# Altium PCB Main control board.PcbDoc (part 1 of 2)
Units mil, origin at the board's own origin, x right, y up, seen from the top; angles counter-clockwise.
Board outline 5901.57 x 3937.01 mil, 2 copper layers (Top Layer, Bottom Layer); 165 components, 122 nets, 529 pads, 198 vias.
Unrouted connection lines stored in the file: 1.
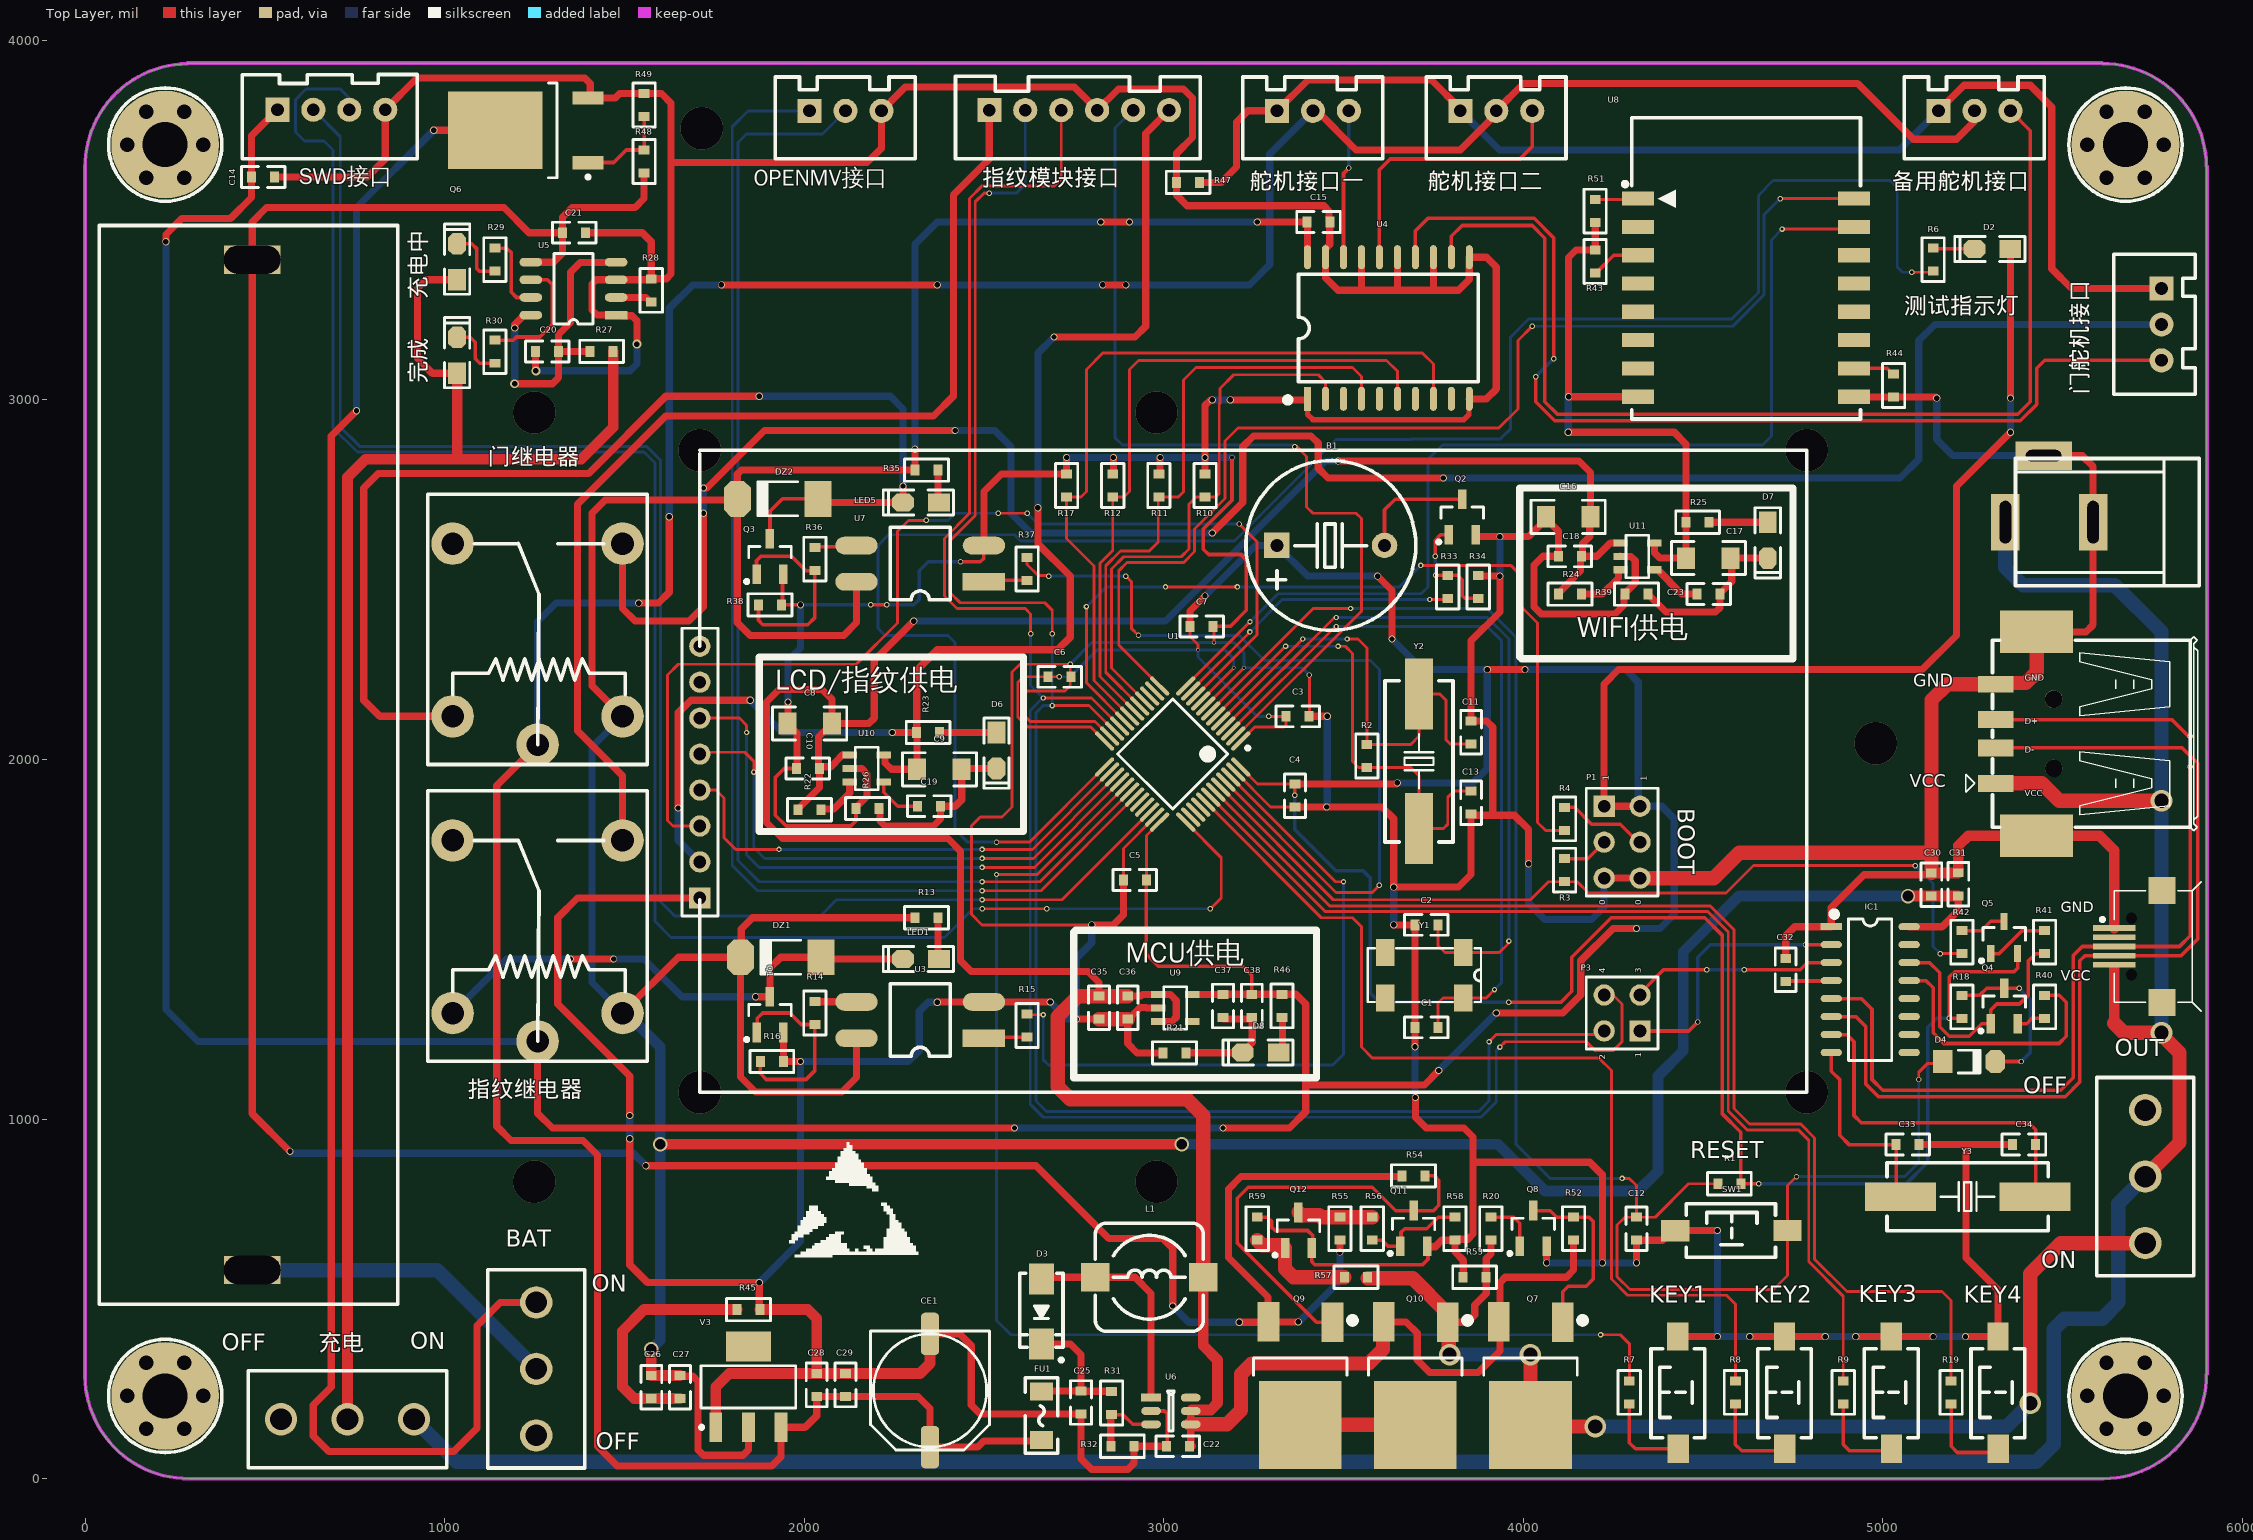
[diagram p0: Top Layer view]
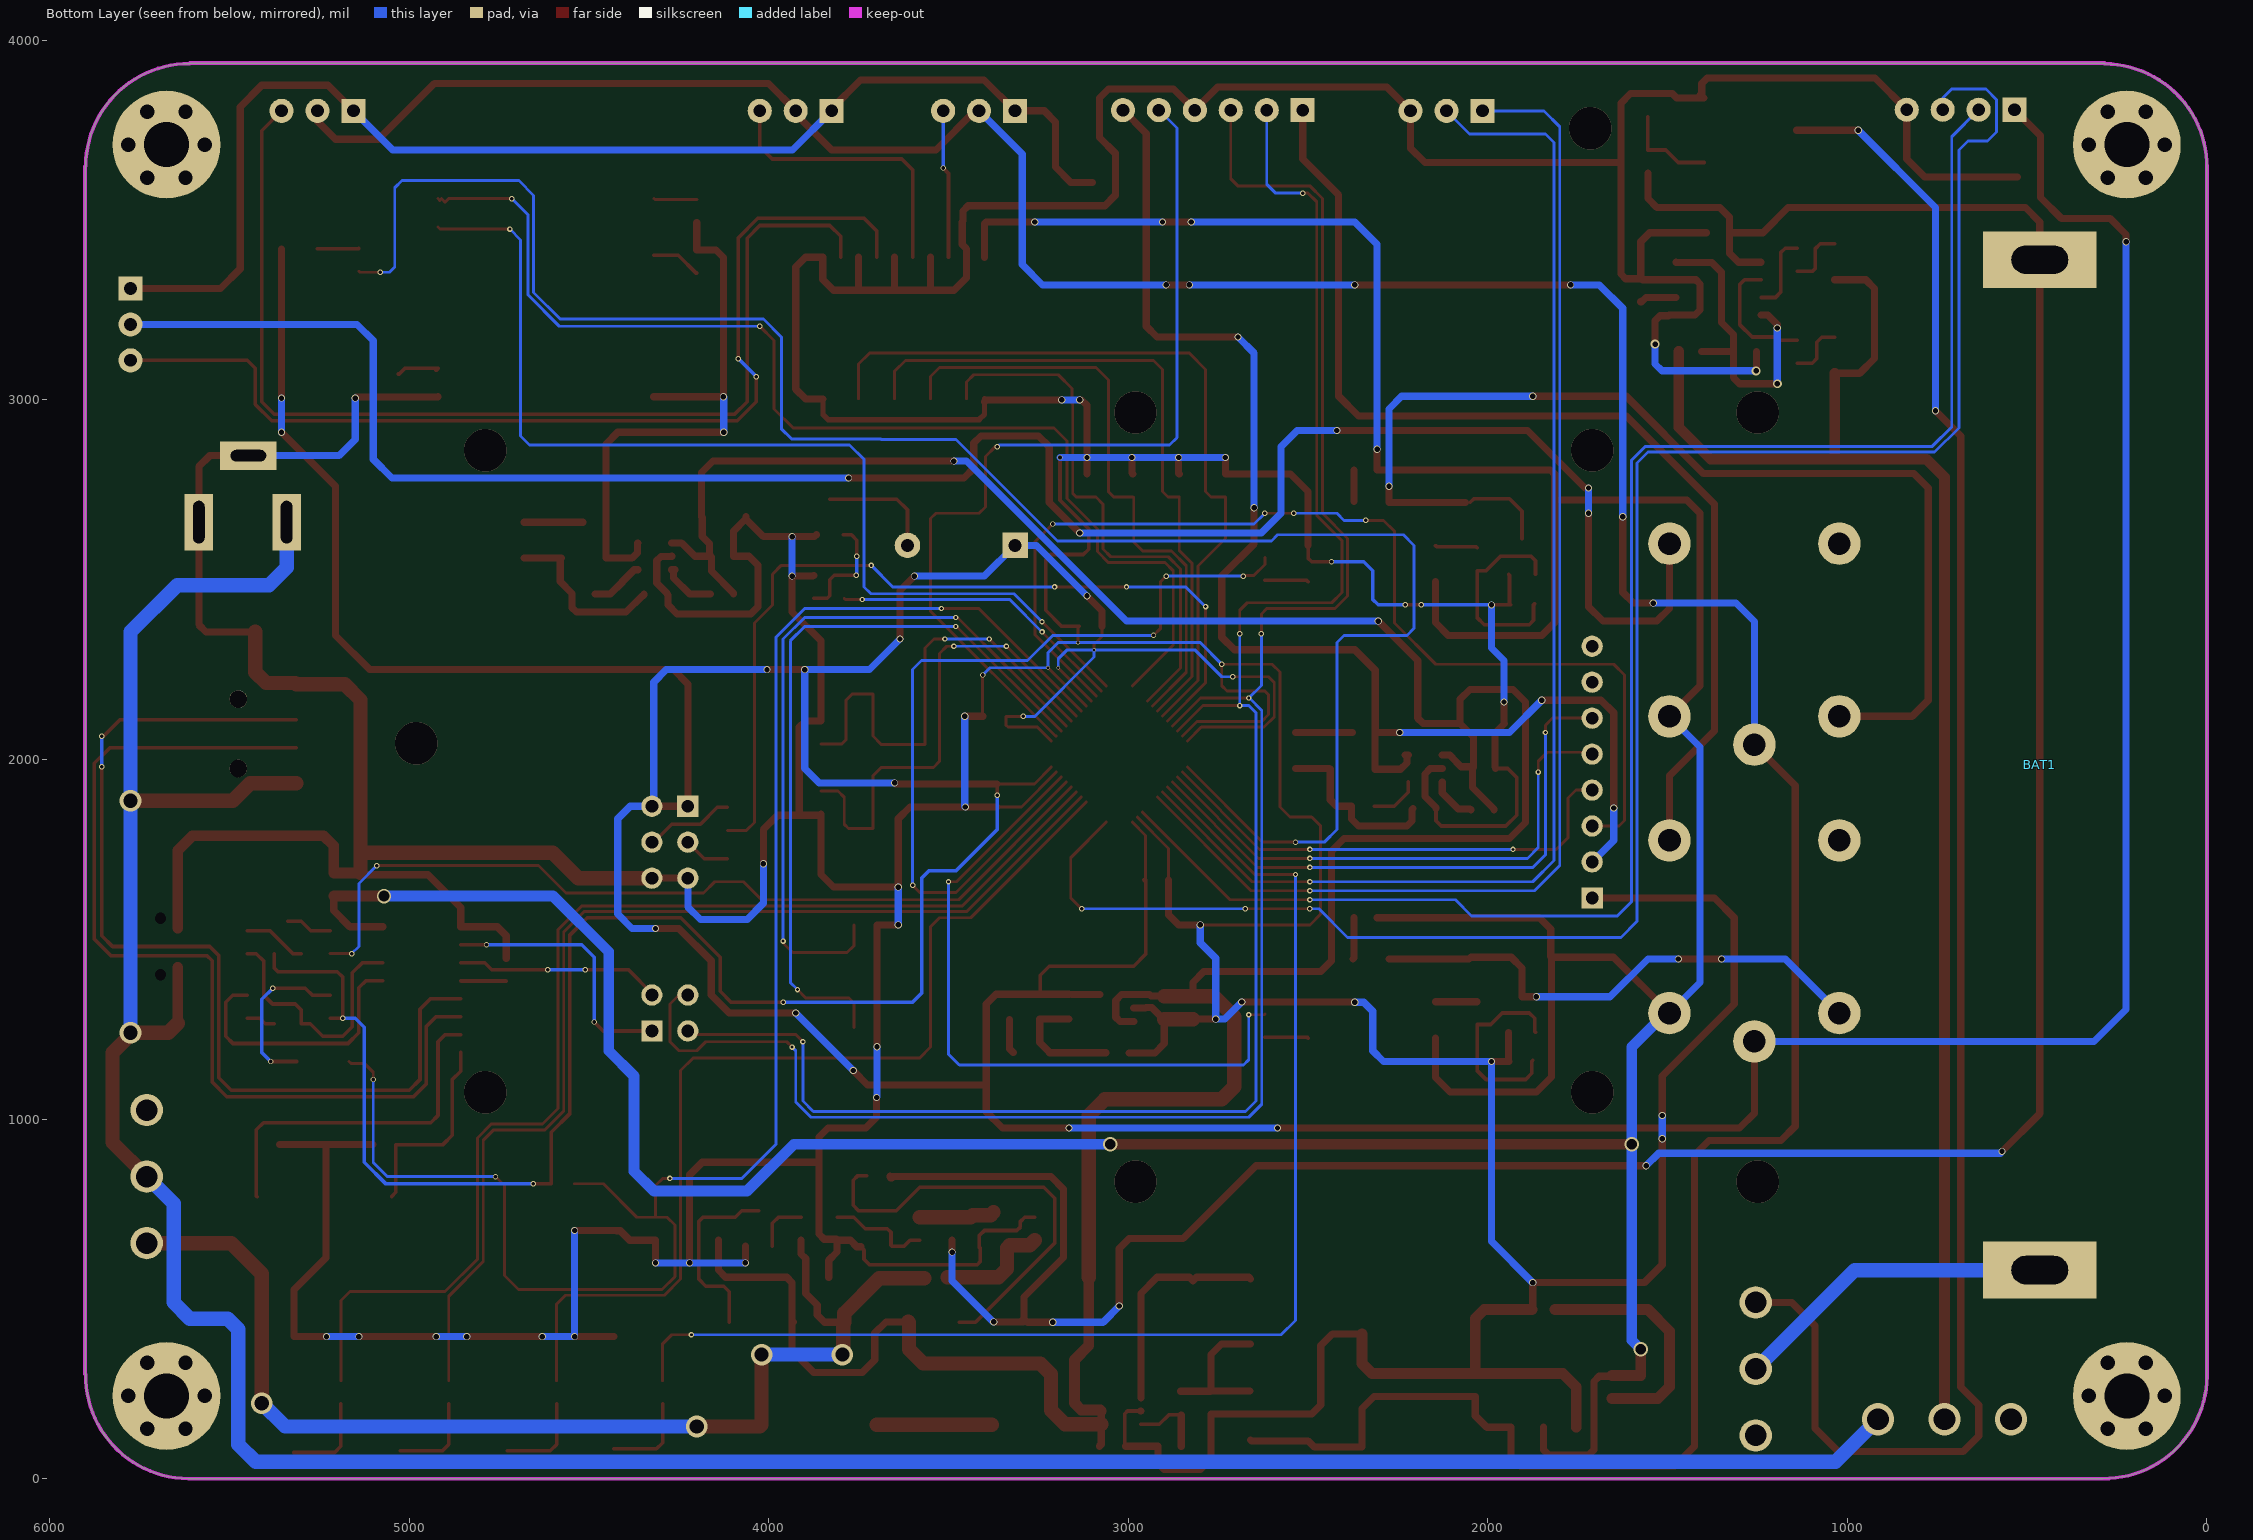
[diagram p1: Bottom Layer view, seen from below]
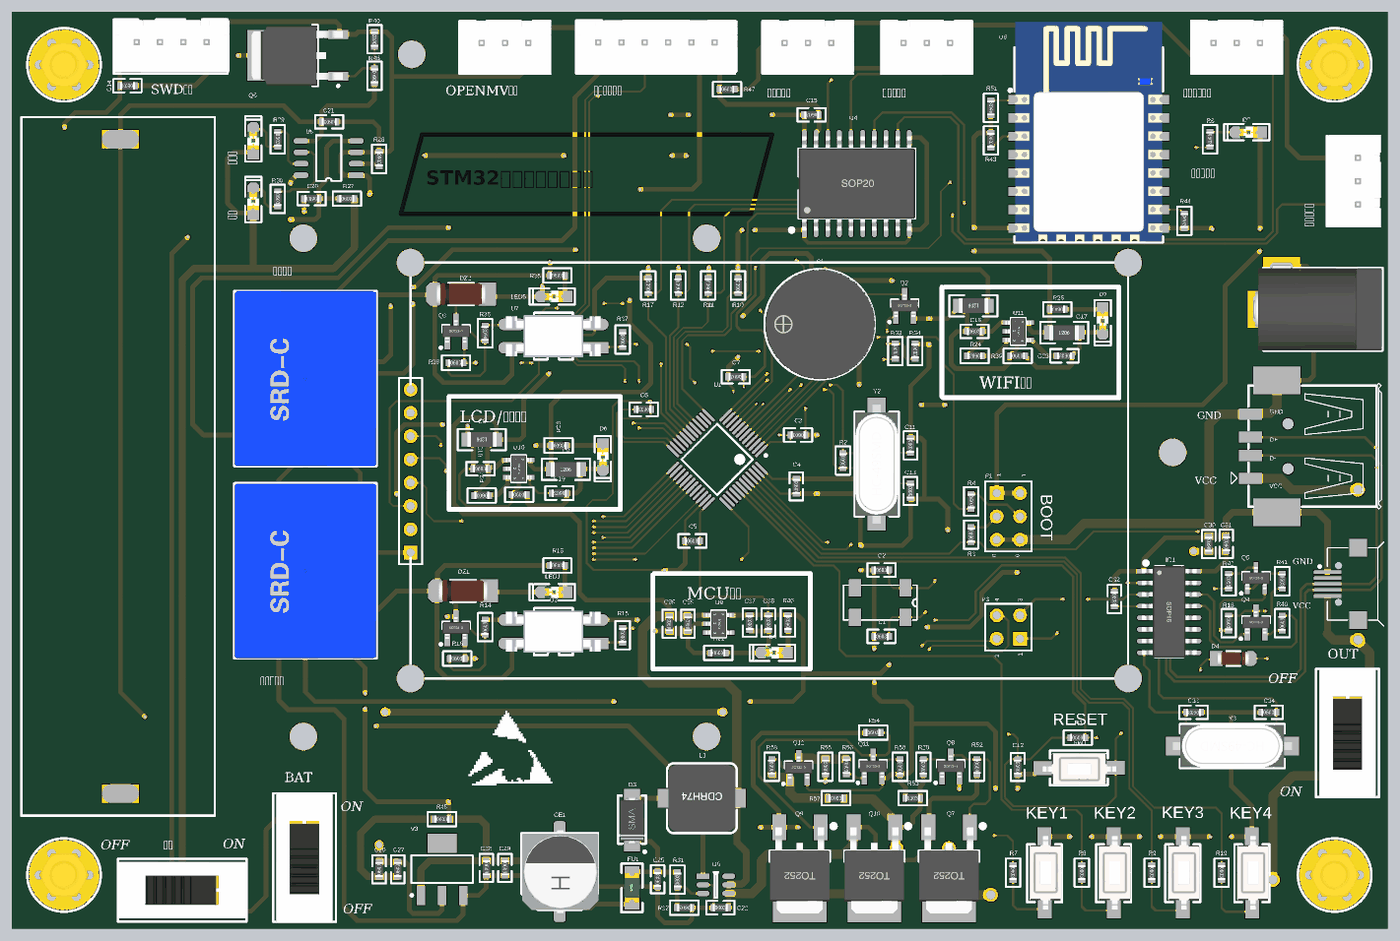
[diagram p3: 3D render of the assembled board from above, using the file's embedded part models]

## Layer stack, top to bottom
Top Solder: solder mask 0.4, Solder Resist, Dk 3.5
Top Layer: signal copper 1.4
Dielectric 1: dielectric 12.6, FR-4, Dk 4.8
Bottom Layer: signal copper 1.4
Bottom Solder: solder mask 0.4, Solder Resist, Dk 3.5

## Board outline
0,285 0,3645 0,3644.99 cw(c287.5,3647.49) 285,3934.99 285,3937.01 5610,3937.01 5610,3935 cw(c5612.5,3647.5) 5900,3650 5901.57,3650 5901.57,290 5900,290 cw(c5612.5,287.5) 5615,0 290,0 cw(c287.5,287.5)

## Design rules (kind name [scope] priority, off if disabled: settings)
Clearance [All] p1: gap=8 ignorepadtopadclearanceinfootprint=TRUE
PolygonConnect [All] p1: connectstyle=Relief reliefconductorwidth=10 reliefentries=4 polygonreliefangle="90 Angle" airgapwidth=10
RoutingVias [All] p1: holewidth=28 width=50 viastyle="Through Hole" minholewidth=28 minwidth=50 maxholewidth=28 maxwidth=50
SolderMaskExpansion [All] p1: expansion=4
Width [All] p1: maxlimit=60 minlimit=8 preferedwidth=10 minimp=50.000000 maximp=50.000000 favimp=50.000000
30 further rules are at their usual default settings.

## Classes and differential pairs
component class STM32评估板-2: B1 C1 C2 C3 C4 C5 C6 C7 C8 C9 C10 C11 C12 C13 C14 C15 C16 C17 C18 C19 C20 C21 C22 C23 C25 C26 C27 C28 C29 C30 C31 C32 C33 C34 C35 C36 C37 C38 CE1 D2 D3 D4 D6 D7 D8 DZ1 DZ2 FU1 IC1 L1 LED1 LED5 OPENMV接口 P1 P3 Q1 Q2 Q3 Q4 Q5 Q6 Q7 Q8 Q9 Q11 Q12 R1 R2 R3 R4 R6 R7 R8 R9 R10 R11 R12 R13 R14 R15 R16 R17 R18 R19 R20 R21 R22 R23 R24 R25 R26 R27 R28 R29 R30 R31 R32 R33 R34 R35 R36 R37 R38 R39 R40 R41 R42 R43 R44 R45 R46 R47 R48 R49 R51 R52 R53 R54 R55 R56 R57 R58 R59 SW1 SWD接口 U1 U3 U4 U5 U6 U7 U8 U9 U10 U11 V3 Y1 Y2 Y3 备用舵机接口

## Components (designator, comment, footprint, x,y, rotation, side; value= is the part's Value field where it differs from the comment)
B1 "BEEP" "BEEP 7.6x12x7.5" 3465,2595 r270 top
BAT1 "18650" 18650 40,485 r0 top
C1 "20p" 0603C 3731,1255 r0 top value=104
C2 "20p" 0603C 3731,1540 r0 top value=104
C3 "104" 0603C 3372,2120 r180 top
C4 "104" 0603C 3365,1900 r90 top
C5 "104" 0603C 2920,1665 r0 top
C6 "104" 0603C 2710,2230 r180 top
C7 "104" 0603C 3105,2370 r180 top
C8 "10UF" 1206C 2015.5,2100 r180 top
C9 "2.2UF" 1206C 2376.24,1972.6 r0 top
C10 "104" 0603C 2010.5,1975 r0 top
C11 "20p" 0603C 3855,2075 r270 top value=104
C12 "105" 0603C 4315,695 r90 top value=104
C13 "20p" 0603C 3855,1880 r90 top value=104
C14 "104" 0603C 495,3620 r180 top
C15 "0.1uF" 0603C 3430,3495 r180 top value=104
C16 "10UF" 1206C 4125,2675 r180 top
C17 "2.2UF" 1206C 4515,2560 r0 top
C18 "104" 0603C 4130,2565 r0 top
C19 "10NF" 0603C 2347.5,1870 r180 top
C20 "22uF" 0603C 1285,3135 r180 top
C21 "22uF" 0603C 1360,3465 r180 top
C22 "22uF" 0603C 3040,90 r0 top
C23 "10NF" 0603C 4515,2460 r180 top
C25 "22uF" 0603C 2770,212 r90 top
C26 "0.1uF" 0603C 1575,255 r90 top value=104
C27 "10uF" 0603C 1655,255 r90 top value=104
C28 "0.1uF" 0603C 2035,260 r270 top value=104
C29 "10uF" 0603C 2115,260 r270 top value=104
C30 "104" 0603C 5135,1652 r90 top
C31 "104" 0603C 5210,1653 r90 top
C32 "104" 0603C 4730,1415 r270 top
C33 "22p" 0603C 5069,929 r180 top value=104
C34 "22p" 0603C 5393,929 r0 top value=104
C35 "10uF" 0603C 2820,1310 r90 top value=104
C36 "0.1uF" 0603C 2900,1310 r90 top value=104
C37 "10uF" 0603C 3165,1315 r90 top value=104
C38 "0.1uF" 0603C 3245,1315 r90 top value=104
CE1 "470uF/16V" CAP8 2350,245 r90 top
D2 "LED" "LED 0805" 5305,3420 r180 top
D3 "SS36" SMA 2660,465 r270 top
D4 "1N4148" "MINI_MELF (LL34)" 5240,1160 r0 top
D5 "DC-005 5.5*2.1MM" DC-005 5585,2660 r0 top
D6 "LED" "LED 0805G" 2535,2025 r270 top
D7 "LED" "LED 0805G" 4680,2610 r270 top
D8 "LED" "LED 0805G" 3270,1185 r180 top
DZ1 "1N4733" "MELF (LL41)" 1935,1450 r180 top
DZ2 "1N4733" "MELF (LL41)" 1926.39,2725 r180 top
FU1 "13.2V/0.5A" "FU 1206" 2660,175 r90 top
H2 "HEADER 1X6" XH2.54-LI-6P 2765,3806 r0 top
H3 "HEADER 1X3" XH2.54-LI-3P 5775,3210 r270 top
H4 "HEADER 1X3" XH2.54-LI-3P 3925,3804 r0 top
H5 "HEADER 1X3" XH2.54-LI-3P 3415,3804 r0 top
IC1 "CH340G" SOP16_L 4965,1360 r0 top
JK1 "SRD-05VDC-SL-C" SRD-C_B 1022.56,1294.68 r90 top
JK2 "SRD-05VDC-SL-C" SRD-C_B 1022.56,2120 r90 top
L1 "4.7uH" CDRH74 2960,560 r0 top
LED1 "蓝色" "LED 0805" 2325,1445 r180 top
LED3 "LED-RED" "LED 0805" 1035,3384 r90 top
LED4 "LED-GREEN" "LED 0805G" 1035,3124 r90 top
LED5 "蓝色" "LED 0805" 2325,2715 r180 top
OPENMV接口 "Header 3" XH2.54-LI-3P 2115,3804 r0 top (schematic designator "P5  OPENMV通信")
P1 "Header 3X2" HDR2X3 4225,1870 r270 top
P3 "Header 2X2" HDR2X2 4325,1245 r90 top
P5 "Header 8" HDR1X8 1710,1615 r90 top
Q1 "S8050" SOT23-3M 1905,1241.03 r0 top
Q2 "S8050" SOT23-3M 3830,2625 r0 top
Q3 "S8050" SOT23-3M 1905,2515 r0 top
Q4 "S8050" SOT23-3M 5337.6,1265 r0 top
Q5 "S8550" SOT23-3N 5337.6,1505 r0 top
Q6 "MOSFET-N" TO-252AA 1270,3750 r180 top
Q7 "D15P05" TO252 4020,315 r180 top
Q8 "S8050" SOT23-3M 4027.6,646.32 r0 top
Q9 "D15P05" TO252 3380,315 r180 top
Q10 "D15P05" TO252 3700,315 r180 top
Q11 "S8050" SOT23-3M 3695,646.32 r0 top
Q12 "S8050" SOT23-3M 3374.84,641.32 r0 top
R1 "10K" 0603R 4573,820 r0 top
R2 "1M" 0603R 3565,2010 r90 top
R3 "10K" 0603R 4115,1692 r90 top
R4 "10K" 0603R 4115,1835 r270 top
R6 "510R" 0603R 5140,3390 r270 top
R7 "1K" 0603R 4295,240 r270 top
R8 "1K" 0603R 4590,240 r270 top
R9 "1K" 0603R 4890,240 r270 top
R10 "1K" 0603R 3115,2762 r90 top
R11 "1K" 0603R 2986.67,2762 r90 top
R12 "1K" 0603R 2858.33,2762 r90 top
R13 "1K" 0603R 2340,1560 r0 top
R14 "2.2K" 0603R 2030,1295 r90 top
R15 "1K" 0603R 2620,1260 r90 top
R16 "10K" 0603R 1910,1160 r0 top
R17 "1K" 0603R 2730,2762 r90 top
R18 "10K" 0603R 5220,1312 r270 top
R19 "1K" 0603R 5190,240 r270 top
R20 "3.3k" 0603R 3910,695 r90 top
R21 "0R" 0603R 3030,1184 r0 top
R22 "1k" 0603R 2015,1860 r180 top
R23 "3.3k" 0603R 2345,2075 r180 top
R24 "1k" 0603R 4130,2460 r180 top
R25 "3.3k" 0603R 4485,2660 r180 top
R26 "0" 0603R 2176.24,1863.6 r0 top
R27 "0" 0603R 1437,3135 r0 top
R28 "1K2" 0603R 1575,3305 r270 top
R29 "1K" 0603R 1140,3390 r270 top
R30 "1K" 0603R 1140,3134 r270 top
R31 "10K" 0603R 2855,210 r90 top
R32 "1K" 0603R 2885,90 r180 top
R33 "1K" 0603R 3790,2480 r270 top
R34 "10K" 0603R 3875,2480 r270 top
R35 "1K" 0603R 2340,2805 r0 top
R36 "2.2K" 0603R 2030,2557 r90 top
R37 "1K" 0603R 2620,2530 r90 top
R38 "10K" 0603R 1905,2430 r0 top
R39 "0" 0603R 4315,2460 r0 top
R40 "1K" 0603R 5450,1312 r90 top
R41 "1K" 0603R 5450,1492 r270 top
R42 "1K" 0603R 5220,1492 r90 top
R43 "1K" 0603R 4200,3385 r270 top
R44 "1K" 0603R 5030,3040 r270 top
R45 "0R" 0603R 1845,470 r0 top
R46 "3.3k" 0603R 3329,1315 r90 top
R47 "0R" 0603R 3068,3605 r0 top
R48 "10K" 0603R 1555,3663 r90 top
R49 "10K" 0603R 1555,3820 r90 top
R51 "1K" 0603R 4200,3525 r90 top
R52 "10k" 0603R 4140,695 r270 top
R53 "10k" 0603R 3865,560 r0 top
R54 "100k" 0603R 3695,841.85 r0 top
R55 "10k" 0603R 3490,695 r90 top
R56 "3.3k" 0603R 3580,695 r270 top
R57 "3.3k" 0603R 3535,560 r180 top
R58 "10k" 0603R 3810,695 r90 top
R59 "10k" 0603R 3260,695 r90 top
SP1 "M3铜柱" M3x4+6_N 223,3710 r0 top
SP2 "M3铜柱" M3x4+6_N 223,230 r0 top
SP3 "M3铜柱" M3x4+6_N 5675,230 r0 top
SP4 "M3铜柱" M3x4+6_N 5675,3710 r0 top
SW1 "SW-PB_V" "TSW SMD-3*6*2.5" 4580,690 r0 top
SW2 "SS12-D10" SS-12D10 5730,840 r90 top
SW3 "SW-PB_V" "TSW SMD-3*6*2.5" 4430,240 r90 top
SW4 "SW-PB_V" "TSW SMD-3*6*2.5" 4726.67,240 r90 top
SW5 "SW-PB_V" "TSW SMD-3*6*2.5" 5023.33,240 r90 top
SW6 "SW-PB_V" "TSW SMD-3*6*2.5" 5320,240 r90 top
SW7 "SS-12D00" SS-12D10 1255,305.04 r90 top
SW8 "SS-12D00" SS-12D10 730,165 r0 top
SWD接口 "SWD" XH2.54-LI-4P 685,3807 r0 top (schematic designator P2)
U1 "STM32F103C8T6" 48P 3025,2015 r225 top
U2 "USB-mrico" Micro_USB 5710,1480 r90 top
U3 "PC817" PC817C 2500,1225 r180 top
U4 "SN74HC244PWR" SOP20_L 3625,3200 r90 top
U5 "TC4056A" TC4056A 1477,3236 r180 top
U6 "B628" B628 2965,225 r0 top
U7 "PC817" PC817C 2500,2494.21 r180 top
U8 "ESP-12" ESP12 4304.84,3560 r0 top
U9 "TPS73233DBVR" SOT23-5 2985,1346.4 r270 top
U10 "SPX3819-3.3V" SOT23-5 2126.75,2012.4 r270 top